# Allegro board RK3588S_Tablet_Demo_LP4XD200P232SD10H2_V11_20220218.brd (continued)
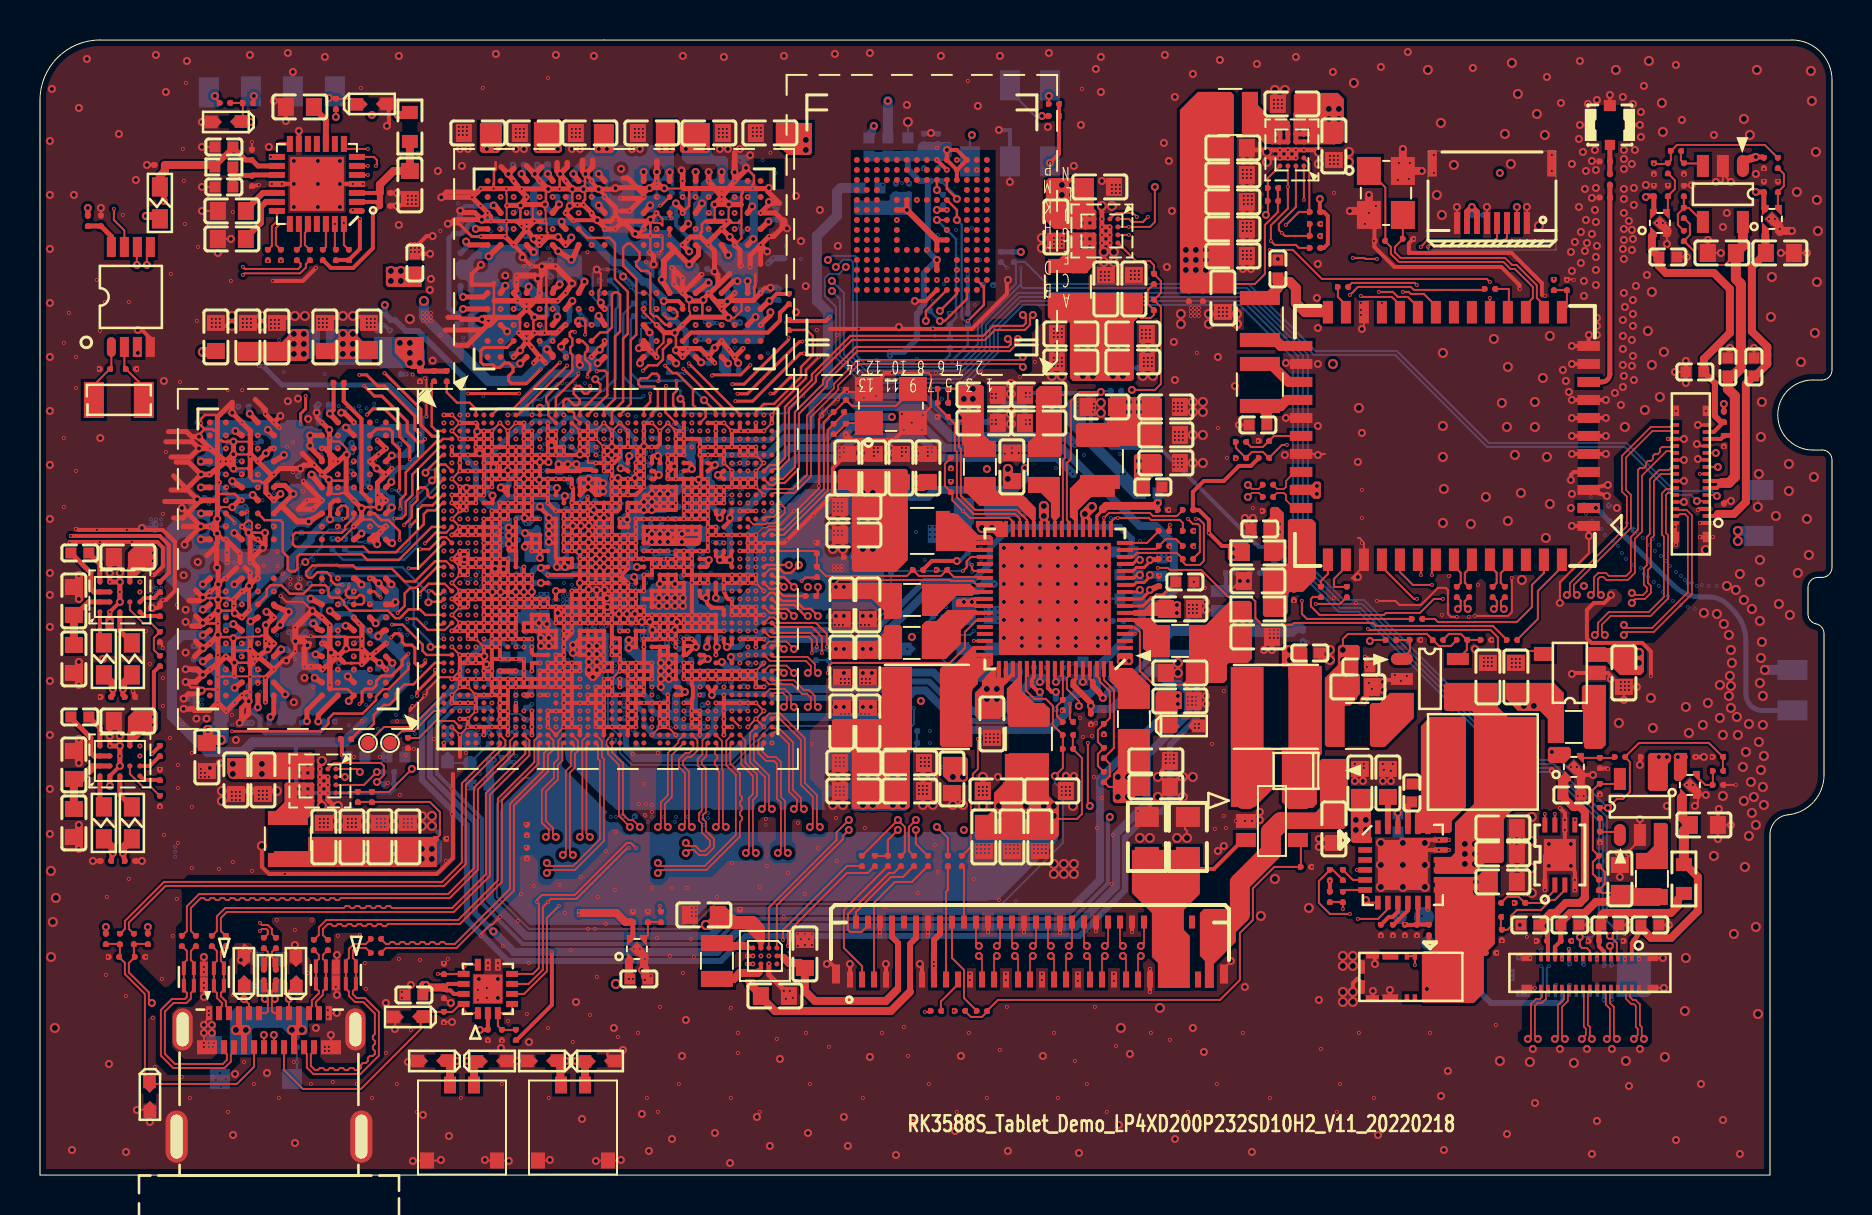
[diagram p0: board, top side]
## Routing (per net, layer and track width the routed paths; a pad name or vN(x,y) marks a point on that pad's centre or on a via; arc(x,y) is an arc through that point) (continued)
VDDA_0V85_S0: length 73.3
  TOP w0.15: U2200.10 54.89,29.15 v5(54.99,29.25)
  TOP w0.2: U1000.H36 v5(33.89,35) U1000.J36
  S03 w0.2: v1(26.99,24) 27.02,24 27.39,24.38 v1(27.39,24.4) 27.39,24.5 27.09,24.8 v1(26.99,24.8)
  S03 w0.3: v1(27.39,24.4) 27.64,24.15 v2(28.09,24.15)
  S08 w0.2: v2(28.09,24.15) 28.24,24.3 v3(28.64,24.3) 28.64,24.15 ; v2(28.09,24.15) 28.19,24.05 v3(28.64,24.05) 28.64,24.15 ; v2(28.09,24.15) 28.64,24.15
  BOTTOM w0.1: 28.67,24.05 28.67,23.98 28.69,23.95 ; C2263.1 54.99,29.05 54.99,28.8 C2263.1
  BOTTOM w0.2: v3(28.64,24.3) v3(28.64,24.05) ; 34.34,34.85 34.34,34.83 34.44,34.83 34.44,35 ; 34.99,35 34.99,34.83
  BOTTOM w0.3: 29.34,21.25 29.29,21.6 29.29,22.05 28.69,22.65 28.69,23.95 ; v5(54.99,29.25) 54.99,29.28
  BOTTOM w0.35: v5(33.89,35) 35.49,35
  BOTTOM w0.4: 55.09,28.55 55.09,27.6 52.84,25.35 52.84,24.4 52.49,24.05 51.74,24.05 51.39,23.7 51.39,23.18 50.47,22.25 46.24,22.25 44.28,24.22 43.71,24.22 42.39,22.9 36.49,22.9 34.44,20.85 29.74,20.85 29.34,21.25 ; 55.09,28.55 55.09,28.95 54.99,29.05 v5(54.99,29.25) ; 55.09,28.55 56.02,28.55 56.69,29.23 56.69,31.55 55.79,32.45 54.99,32.45 51.09,36.35 45.24,36.35 44.19,37.4 40.61,37.4 39.56,36.35 37.5,36.35 36.15,35 35.49,35
VDDA_1V2_S0: length 20.8
  TOP w0.15: U2200.57 49.69,24.88 49.64,24.83 49.64,24.82 49.59,24.77
  TOP w0.2: v5(49.99,24.15) 49.92,24.15 49.59,24.48 49.59,24.77 ; U1000.AR35 33.59,24.1 ; 33.59,24.1 v5(33.59,24) ; 33.59,24.1 U1000.AR34
  BOTTOM w0.3: v5(33.59,24) 33.74,24.15 C1607.1 C1608.1 34.65,24.05 36.44,24.05 36.64,23.85 42.68,23.85 43.49,24.67 44.46,24.67 46.43,22.7 48.29,22.7 49.39,23.8 C2250.1 v5(49.99,24.15)
VDDA_DDR_PLL_S0: length 93.7
  TOP w0.15: U2200.12 54.69,29.85 54.84,30 v5(54.99,30)
  TOP w0.2: U1000.AB14 v5(25.04,29.6) ; U1000.M16 26.19,33.9 v5(26.24,33.95)
  S03 w0.3: v5(26.24,33.95) 26.1,33.8 26.1,33.41 26.09,33.41 26.09,31.2 26.69,30.6 26.69,30.15 26.24,29.7 26.24,28.95 26.04,28.75 25.59,28.75 25.04,29.3 v5(25.04,29.6)
  S06 w0.4: v2(40.89,39) 41.39,38.5 43.54,38.5 45.34,36.7 49.6,36.7 50,37.1 52.44,37.1 53.34,36.2 53.34,34 54.19,33.15 54.19,30.25 54.44,30 v5(54.99,30)
  S08 w0.4: v5(17.24,43.5) 16.54,44.2 16.54,50.1 19.94,53.5 37.59,53.5 38.99,52.1 38.99,50 40.79,48.2 40.79,42.5 39.94,41.65 39.94,39.38 40.32,39 v2(40.89,39)
  BOTTOM w0.25: C1210.1 v5(25.04,29.6)
  BOTTOM w0.3: C1215.1 v5(26.24,33.95) 26.19,33.9 23.24,33.9 22.79,33.45 22.44,33.45 21.79,34.1 21.79,35.35 21.14,36 21.14,39.95 18.89,42.2 18.29,42.2 17.74,42.75 17.54,42.75 17.24,43.05 v5(17.24,43.5)
VDDQ_DDR: length 53.1
  TOP w0.254: U3800.B3 v5(15.39,24.93) ; v5(17.62,25.6) U3800.D1 17.29,25.93 ; U3801.W1 v5(34.41,40.58) ; U3801.W5 34.67,44.69 v5(34.87,44.69) ; v5(15.3,37.37) U3800.AA3 ; U3801.AA3 v5(35.78,42.9) ; U3801.D1 v5(24.01,40.58) ; U3800.AA5 v5(13.5,36.98) v5(13.5,36.47) 13.5,36.38 14.09,35.79 U3800.W5 ; 17.29,35.68 v5(17.59,35.97) ; U3801.AA5 v5(35.38,44.69) ; U3801.B3 v5(23.36,42.18)
  TOP w0.279: v5(22.68,48.48) 22.76,48.47 U3801.B10 ; U3800.F3 15.4,27.47 v5(15.28,27.46) ; v5(12.26,24.03) U3800.B8 ; U3801.AA8 v5(35.66,46.8) ; v5(13.78,26.03) 14.09,25.93 U3800.D5 ; v5(34.41,46) 34.37,46.01 U3801.W8 ; U3800.D8 11.69,25.93 v5(12.06,26.28) ; 10.09,24.63 U3800.B10 v5(9.73,24.36) ; U3801.B8 v5(22.43,45.94) ; U3801.D12 v5(24.08,50.05) ; U3801.D5 v5(24.43,44.41) ; U3801.B5 v5(23.26,44.46) ; v5(9.67,27.55) U3800.F10 10.09,27.23 ; U3800.AA8 v5(11.4,37.25) ; v5(25.86,42.92) 25.88,42.79 U3801.F3 ; v5(13.73,24.86) 14.09,24.63 U3800.B5 ; 8.49,25.93 U3800.D12 v5(8.14,25.67) ; U3801.D8 v5(24.69,46.14) ; U3801.AA10 v5(35.61,48.43) ; v5(34.08,50.15) U3801.W12 ; U3800.W8 12.19,35.96 v5(12.2,36.01) ; U3800.W12 v5(8.04,35.68) ; U3801.F10 v5(25.96,48.53) ; U3801.U10 v5(33.1,48.58) ; U3800.AA10 v5(9.77,37.2) ; U3800.U10 v5(9.62,34.69)
  TOP w0.5: v4(9.04,21.75) 8.34,21.75 C3807.1 8.39,21.6 v4(8.39,22.25)
  S03 w0.203: v1(15.69,34.38) 15.88,34.19 v2(15.97,34.19) ; v2(32.6,42.23) 32.6,42.32 v1(32.78,42.5)
  POWER05 w0.102: v5(8.14,25.67) 9.25,26.78 9.25,27.13 v5(9.67,27.55)
  S08 w0.254: v2(15.97,34.19) 16.04,34.19 v3(16.24,34.39) 16.38,34.53 v3(16.38,34.64) ; v2(32.6,42.23) 32.6,42.15 v3(32.8,41.96) 32.93,41.82 v3(33.04,41.82)
  BOTTOM w0.2: 12,22.62 12.57,22.62
  BOTTOM w0.254: v5(12.26,24.03) 12.26,24.12 12.31,24.17 12.31,24.9 11.77,25.44 11.77,25.88 12.06,26.16 v5(12.06,26.28) ; 23.35,42.98 23.51,42.82 23.92,42.82 23.92,42.33 23.06,41.47 23.06,40.76 23.31,40.51 23.94,40.51 v5(24.01,40.58) ; v5(35.61,48.43) 35.58,48.46 35.58,48.78 ; v5(35.66,46.8) 35.63,46.83 35.63,47.16 ; 11.04,37.23 11.37,37.23 v5(11.4,37.25) ; C3819.1 17.62,25.52 v5(17.62,25.6) ; v5(24.08,50.05) 24.17,50.15 C3865.1 ; C3820.1 9.6,27.48 v5(9.67,27.55) ; v5(35.38,44.69) 35.38,45.21 35.01,45.58 34.96,45.63 34.69,45.63 34.41,45.92 v5(34.41,46) ; v5(23.26,44.46) 23.36,44.46 23.54,44.64 24.21,44.64 v5(24.43,44.41) 24.84,44.01 25.22,44.01 25.85,43.38 C3861.1 25.88,43.27 25.88,42.93 v5(25.86,42.92) ; v5(8.14,25.67) 8.02,25.8 7.71,25.8 C3814.1 ; v5(25.96,48.53) 25.88,48.6 C3859.1 ; v5(13.78,26.03) 14.19,26.43 14.19,26.82 14.82,27.45 C3823.1 14.93,27.47 15.27,27.47 v5(15.28,27.46) ; 10.13,34.69 v5(9.62,34.69) ; 9.41,37.17 9.74,37.17 v5(9.77,37.2) ; v5(24.69,46.14) 24.56,46.14 24.28,46.42 23.84,46.42 23.3,45.89 22.57,45.89 22.53,45.94 v5(22.43,45.94) 22.43,45.94 21.69,45.94 21.31,45.56 21.03,45.56 21.03,44.99 ; 33.1,48.07 v5(33.1,48.58)
  BOTTOM w0.305: 9.72,24.35 v5(9.73,24.36) ; v5(22.68,48.48) 22.65,48.45 C3864.1
  BOTTOM w0.381: v5(35.66,46.8) 35.66,46.23 35.01,45.58
  vias: v4(15.14,42.05) v4(15.14,41.55) v4(15.14,41.05) v4(15.64,42.05) v4(15.64,41.55) v4(15.64,41.05) v5(22.34,51.3) v5(22.74,51.3) v5(24.89,51.3) v5(25.89,51.3) v5(32.29,51.3) v5(33.29,51.3)
VDDQ_DDR_CK_S0: length 12.3
  TOP w0.2: U1000.H24 29.37,35.25 29.03,35.33 v5(29.03,35.33) ; U1000.K9 v5(23.03,34.38) U1000.L9 U1000.K9
  BOTTOM w0.2: v5(23.03,34.38) 23.16,34.5 C1216.1
  BOTTOM w0.25: 29.03,35.6 29.09,35.6 29.24,35.45 ; 29.03,35.6 29.03,36.77 28.49,37.3 R3821.1 27.09,37.85 26.34,37.85 25.79,37.3 25.14,37.3 24.14,36.3 24.14,35.39 23.44,34.69 C1216.1 ; 29.03,35.6 v5(29.03,35.33) 29.15,35.45 29.24,35.45 ; 29.24,35.45 C1213.1 29.39,35.45
VDDQ_DDR_CKE_S3: length 14.1
  TOP w0.203: v5(22.63,33.97) 22.63,33.64 U1000.M7 U1000.M6 ; U1000.G24 29.39,35.88 v5(29.46,35.95)
  BOTTOM w0.1: R3820.1 24.3,37.3
  BOTTOM w0.254: 29.72,36.1 29.61,36.1 v5(29.46,35.95) 29.59,35.95 C1211.1 ; v5(22.63,33.97) 22.63,33.94 22.24,34.33 22.24,34.75 C1212.1 22.24,34.85 22.24,35.72 23.83,37.3 24.3,37.3 24.7,37.7 25.58,37.7 26.45,38.57 27.99,38.57 29.72,36.84 29.72,36.13 ; 29.72,36.13 C1211.1 ; 29.72,36.13 C1211.1
VDDQ_DDR_S0: length 62.2
  TOP w0.1: v4(53.89,18.9) 53.89,19.4 53.44,19.4 C2229.1 53.49,19.95 53.49,20.55 R2236.1 53.69,21.35 53.69,24.25 53.19,24.75 U2200.67
  TOP w0.102: 25.79,35.22 25.79,35.41 v5(25.93,35.54)
  TOP w0.2: R1200.2 15.09,21.76 v1(15.09,21) ; v1(39.49,42.9) 39.29,42.7 37.49,42.7 R1203.2
  TOP w0.203: U1000.H15 25.79,35.22 25.93,35.35 v5(25.93,35.54) 25.99,35.54 ; U1000.H15 U1000.H16 ; U1000.H15 U1000.H14 ; U1000.R10 23.57,32.4 23.56,32.39 23.49,32.39 23.46,32.37 v5(23.44,32.37) v5(23.44,31.96) ; U1000.R10 U1000.T10 ; U1000.R10 v1(23.79,32.8) ; v5(23.44,31.55) 23.44,31.55 23.42,31.27 23.47,31.23 23.75,31.23 23.77,31.2 U1000.V10 ; v5(23.44,31.55) 23.45,31.55 23.46,31.51 ; v5(23.44,31.55) 23.45,31.55 23.46,31.31 23.46,31.51 ; 27.58,35.26 27.56,35.29 27.08,35.29 U1000.H18 ; 27.58,35.26 27.64,35.2 U1000.H20 ; 27.58,35.26 27.06,35.26 U1000.H18 ; U1000.H16 U1000.H18 ; U1000.H16 26.39,35.4 v5(26.39,35.54) ; U1000.H16 26.19,35.34 25.99,35.54 ; U1000.H18 26.86,35.33 26.86,35.5 v5(26.82,35.54) v5(26.39,35.54) ; v5(23.44,31.96) 23.46,31.94 23.46,31.51 ; v5(23.44,31.96) 23.54,31.96 23.58,32 U1000.T10 ; 23.46,31.51 23.79,31.51 ; v5(26.39,35.54) 25.99,35.54 ; 23.79,31.51 U1000.T10 ; 23.79,31.51 U1000.V10 ; U1000.V10 U1000.W10 U1000.Y10
  TOP w0.254: v4(18.99,40.6) 19,40.59 C1251.1 R1201.2 R1202.2
  GND02 w0.127: v1(23.79,32.8) 23.44,32.45 v5(23.44,32.37)
  GND02 w0.305: v5(23.44,31.96) v5(23.44,32.37) ; v5(26.82,35.54) v5(26.39,35.54)
  GND02 w0.4: v5(26.39,35.54) v5(25.93,35.54)
  S03 w0.2: v2(14.79,20.9) 14.99,20.9 v1(15.09,21) ; v1(39.49,42.9) v2(39.49,43.2)
  S03 w0.254: v2(23.42,32.77) 23.44,32.8 v1(23.79,32.8)
  S03 w0.3: v5(23.44,31.55) v5(23.44,31.96)
  S03 w0.305: v5(23.44,31.96) v5(23.44,32.37) 23.44,32.75 v2(23.42,32.77) ; v5(25.93,35.54) v5(26.39,35.54) v5(26.82,35.54)
  POWER05 w0.1: v5(23.44,31.55) 23.44,30.95 23.54,30.85 23.54,30.16 23.44,30.06 23.44,28.55 22.79,27.9
  POWER05 w0.15: v5(26.39,35.54) 26.39,36.04 26.54,36.19 26.54,38.07 31.2,38.07 31.57,38.44 31.57,38.89 32.26,39.58 36.01,39.58 36.39,39.96 36.39,41.5 36.94,42.05 36.94,43.15 37.34,43.55 37.94,43.55 38.29,43.2 v2(39.49,43.2)
  S08 w0.254: v3(23.14,32.47) 23.42,32.75 v2(23.42,32.77)
  S08 w0.305: v5(26.82,35.54) v5(26.39,35.54) v5(25.93,35.54) ; v2(23.42,32.77) 23.44,32.75 v5(23.44,32.37) v5(23.44,31.96) 23.44,31.29 v5(23.44,31.55) 23.42,31.58 23.27,31.43 23.14,31.56 v3(23.14,32.47)
  GND09 w0.305: v5(26.82,35.54) v5(26.39,35.54) v5(25.93,35.54) ; v5(23.44,31.96) v5(23.44,32.37) 23.34,32.47 v3(23.14,32.47)
  GND09 w0.4: v5(26.82,35.54) 26.82,35.53 25.93,35.53 v5(25.93,35.54)
  BOTTOM w0.3: v5(25.93,35.54) 25.92,35.54 25.92,35.2 ; R3821.2 26.09,36.65 26.09,36.05 26.39,35.76 v5(26.39,35.54)
  vias: v3(23.14,32.2) v3(23.14,32) v4(17.99,41.6) v4(18.49,41.6) v4(18.49,41.1) v4(18.49,40.6) v4(53.89,19.9) v4(54.39,19.9) v4(54.39,18.9)
VEE5V8_LCD: length 11.4
  TOP w0.2: 37.19,10.85 37.09,10.95 J7012.A2
  TOP w0.3: 42.84,9.25 42.9,9.31 J5500.9 42.9,11.6 42.6,11.9 42.6,12.65
  TOP w0.4: 42.84,9.25 42.29,8.7 38.74,8.7 38.24,9.2 C9612.1 37.99,10.6 37.44,10.6 37.19,10.85
32KOUT_WIFI: length 3.1
  TOP w0.1: R2114.2 60.54,36.4 61.14,36.4 C6323.1 61.69,36.95 U6300.31
ALPS_INT_L: length 64.7
  TOP w0.1: J7002.2 73.85,48.4 v5(73.84,48.4)
  S03 w0.075: 37.69,33.2 37.24,32.75 36.64,32.75 v1(36.19,33.2)
  S03 w0.1: 37.69,33.2 38.24,33.75 40.18,33.75 41.44,35.02 41.44,37.78 42.04,38.38 42.04,39.55 41.81,39.79 41.64,39.95 41.64,50.95 39.84,52.75 v2(39.84,53.35)
  S06 w0.1: v5(73.84,48.4) 73.09,48.4 71.74,49.75 57.54,49.75 56.84,49.05 54.54,49.05 52.79,50.8 51.39,50.8 50.74,50.15 50.24,50.15 49.89,50.5 49.89,51.05 47.09,53.85 43.14,53.85 42.54,53.25 39.94,53.25 v2(39.84,53.35)
BIG/NPU_EN: length 109.3
  TOP w0.1: v5(55.74,49.4) 55.74,47.65 55.49,47.4 v1(54.44,47.4) U2300.A2 ; U2302.A2 v5(15.24,19.9) ; U2301.A2 62.79,48.4 61.94,47.55 61.94,47.25 v1(62.09,47.1) 62.24,46.95 R2302.2 R2303.1
  S03 w0.1: v1(62.09,47.1) 61.99,47.2 54.64,47.2 v1(54.44,47.4)
  S06 w0.1: v5(55.74,49.4) 54.63,49.4 52.68,51.35 50.89,51.35 47.54,54.7 12.2,54.7 11.12,53.62 11.12,52.73 8.84,50.45 7.84,50.45 6.74,49.35 6.74,38.8 6.24,38.3 6.24,22.85 7.89,21.2 7.89,20.46 8.7,19.65 14.99,19.65 v5(15.24,19.9)
BL_PWM_OUT: length 5
  TOP w0.1: 45.6,12.65 45.6,10.85 46.2,10.25 46.2,8.85 R5617.1
BQ_OTG_EN_H: length 48.9
  TOP w0.1: v1(65.89,12.8) 66.89,12.8 67.39,13.3 U2501.8
  S03 w0.1: v1(26.99,23.2) 28.94,21.25 28.94,15.92 29.24,15.62 31.06,13.8 44.95,13.8 58.74,13.8 60.39,12.15 60.56,12.15 63.94,12.15 64.59,12.8 v1(65.89,12.8)
BT_REG_ON: length 2.3
  TOP w0.1: U6300.38 65.29,30.4 64.69,29.8 64.69,29.4 R6336.2
BT_REG_ON_H: length 33.4
  TOP w0.1: v1(63.79,28.55) 64.99,28.55 R6336.1
  S03 w0.075: 37.44,24.15 37.14,24.15 36.2,25.1 36.2,25.82 36.19,25.82 36.19,25.9 36.03,26.06 36.03,26.1 35.89,26.24 35.86,26.24 35.84,26.25 35.64,26.25 v1(35.39,26)
  S03 w0.1: 37.44,24.15 41.81,24.15 42.11,24.45 43.49,24.45 44.14,25.1 49.95,25.1 50.94,26.1 54.29,26.1 55.55,27.35 59.11,27.35 59.81,28.05 63.29,28.05 v1(63.79,28.55)
BT_WAKE_HOST: length 4.9
  TOP w0.1: R9700.2 74.89,27.8 74.89,29.2 76.09,30.4 U6300.50
BT_WAKE_HOST_H: length 41.9
  TOP w0.1: R9700.1 72.64,27.45 66.79,27.45 66.64,27.6 62.69,27.6 62.59,27.5 61.11,27.5 60.77,27.85 60.77,28.68 60.54,28.9 59.41,28.9 58.06,30.25 56.49,30.25 56.39,30.35 v1(55.89,30.35)
  S03 w0.075: 41.99,27.55 41.91,27.46 36.42,27.46 36.05,27.84 35.23,27.84 v1(34.99,27.6)
  S03 w0.1: v1(55.89,30.35) 54.44,30.35 53.99,29.9 47.34,29.9 47.04,29.6 44.04,29.6 41.99,27.55
CC_INT0_L: length 53.5
  TOP w0.1: v1(25.94,13.45) 25.34,12.85 25.34,10.19 24.21,9.05 U2600.5
  S03 w0.075: 37.44,24.55 37.24,24.55 36.5,25.3 36.5,25.94 36.5,25.94 36.5,26.03 36.49,26.03 36.49,26.11 36.12,26.49 36.1,26.49 36.05,26.54 36.05,26.54 35.95,26.64 35.49,26.64 35.49,26.64 35.3,26.64 35.16,26.5 35.16,26.47 35.09,26.4 35.09,26.1 v1(34.99,26)
  S03 w0.1: 37.44,24.55 41.56,24.55 42.01,25 43.04,25 43.39,25.35 47.19,25.35 v2(48.19,26.35) ; v1(25.94,13.45) v2(26.24,13.45)
  S06 w0.1: v2(26.24,13.45) 38.54,13.45 38.69,13.6 38.7,13.6 41.45,16.35 41.55,16.45 45.06,16.45 45.69,17.09 45.69,17.25 45.84,17.4 45.84,17.4 46.1,17.65 46.91,17.65 47.54,18.29 47.54,20.05 48.24,20.75 48.24,25.3 48.19,25.35 v2(48.19,26.35)
CHG_INT_L: length 38.3
  TOP w0.1: v1(52.39,21.6) 52.39,18.55 v5(52.49,18.45) ; v5(66.29,13.75) 66.43,13.62 U2501.7
  S03 w0.1: v1(35.39,22.8) 35.89,22.3 35.89,21.45 36.54,20.8 38.99,20.8 39.54,21.35 48.39,21.35 48.64,21.6 v1(52.39,21.6)
  S08 w0.1: v5(66.29,13.75) 64.58,13.75 62.83,15.5 60.84,15.5 58.44,17.9 53.99,17.9 53.44,18.45 v5(52.49,18.45)
CHG_REF: length 8.4
  TOP w0.2: v5(69.39,11.55) 69.44,11.59 R2504.1 ; U2501.22 v5(67.89,18.1)
  S03 w0.2: v5(67.89,18.1) 68.69,17.3 68.69,12.85 69.39,12.15 v5(69.39,11.55)
  BOTTOM w0.1: v5(69.39,11.55) TP2501.1
CHRG_OK_H: length 39.9
  TOP w0.1: U2501.4 v1(65.84,15.25)
  S03 w0.1: v2(63.54,17.9) 63.78,17.66 63.79,17.66 65.84,15.61 v1(65.84,15.25) ; v2(57.84,24.9) 57.34,24.4 55.59,24.4 54.29,23.1 46.34,23.1 45.19,24.25 43.99,24.25 43.69,23.95 43.69,23.75 42.99,23.05 38.91,23.05 38.26,22.4 37.89,22.4 37.49,22.8 37.29,22.8 36.84,23.25 36.84,23.7 35.39,25.15 v1(35.39,25.6)
  S06 w0.1: v2(57.84,24.9) 57.84,23.51 60.45,20.9 60.46,20.9 63.46,17.9 v2(63.54,17.9)
DDR_CH0_A0_A: length 9.2
  TOP w0.122: v1(18.43,30.34) 18.92,30.34 20.19,31.6 U1000.U1
  S03 w0.064: v2(16.2,28.71) 16.34,28.58 v1(16.49,28.58) ; v1(18.43,30.34) 18.58,30.34 v2(18.7,30.21)
  S08 w0.064: v2(18.7,30.21) 17.93,30.21 17.87,30.15 17.87,29.99 17.81,29.93 17.68,29.93 17.62,29.99 17.62,30.15 17.55,30.21 17.43,30.21 17.36,30.15 17.36,29.99 17.3,29.93 17.17,29.93 17.11,29.99 17.11,30.15 17.05,30.21 16.92,30.21 16.85,30.15 16.85,29.99 16.79,29.93 16.66,29.93 16.6,29.99 16.6,30.15 16.54,30.21 16.41,30.21 16.35,30.15 16.35,29.99 16.28,29.93 16.16,29.93 16.09,29.99 16.09,30.15 16.03,30.21 15.8,30.21 15.74,30.15 15.74,29.38 16.2,28.91 v2(16.2,28.71)
DDR_CH0_A0_B: length 11
  TOP w0.102: U1000.U2 20.31,31.89
  TOP w0.122: v1(19,31.29) 19.47,31.29 20.07,31.89 20.31,31.89
  TOP w0.127: v1(17.98,31.75) 17.98,32.19 17.42,32.74 17.07,32.74 16.74,33.08 16.49,33.08
  S03 w0.064: v2(17.85,32.03) 17.98,31.9 v1(17.98,31.75) ; v1(19,31.29) 18.94,31.36 v2(18.69,31.36)
  S08 w0.064: v2(18.69,31.36) 18.84,31.2 20.77,31.2 20.86,31.28 20.86,31.64 20.79,31.71 19.28,31.71 18.68,32.31 18.33,32.31 18.05,32.03 v2(17.85,32.03)
DDR_CH0_A1_A: length 9
  TOP w0.102: 17.03,28.86 v1(17.03,28.86) ; 20.23,29.56 U1000.AC2
  TOP w0.122: 16.49,29.18 16.72,29.18 17.03,28.86 ; 20.23,29.56 19.43,29.56 18.99,29.12 v1(18.99,29.04)
  S03 w0.064: v2(17.27,28.68) 17.27,28.8 17.21,28.86 17.04,28.86 v1(17.03,28.86) ; v1(18.99,29.04) 18.79,29.04 18.72,28.97 v2(18.7,28.97)
  S08 w0.064: v2(17.27,28.68) 17.27,28.73 17.98,29.44 17.98,29.74 18.04,29.8 18.17,29.8 18.23,29.74 18.23,29.49 18.3,29.42 18.42,29.42 18.49,29.49 18.49,29.74 18.55,29.8 18.68,29.8 18.74,29.74 18.74,29.49 18.8,29.42 18.93,29.42 19,29.49 19,29.74 19.06,29.8 19.44,29.8 19.5,29.74 19.5,29.1 19.44,29.04 18.79,29.04 18.72,28.97 v2(18.7,28.97)
DDR_CH0_A1_B: length 12.2
  TOP w0.102: U1000.R2 20.31,32.12
  TOP w0.122: 20.31,32.12 19.78,32.12 v1(19.25,31.58)
  S03 w0.064: v1(19.25,31.58) 19,31.58 18.91,31.67 18.53,31.67 18.44,31.58 18.26,31.58 18.19,31.64 18.19,31.84 18.19,31.84 18.19,32.17 17.99,32.37 17.31,32.37 17.26,32.42 16.87,32.42 16.71,32.27 16.71,32.18 16.82,32.07 16.82,31.94 16.75,31.87 16.66,31.87 16.55,31.98 16.46,31.98 16.37,31.89 16.37,31.8 16.48,31.69 16.48,31.6 16.38,31.5 16.26,31.5 16.2,31.56 16.2,31.65 16.13,31.71 16,31.71 15.94,31.65 15.94,31.58 16.06,31.46 16.06,31.37 15.99,31.3 14.91,31.3 14.83,31.38 14.83,31.73 14.89,31.79 14.98,31.79 15.04,31.73 15.04,31.64 15.1,31.58 15.21,31.58 15.27,31.64 15.27,31.69 15.34,31.75 15.46,31.75 15.53,31.69 15.53,31.64 15.59,31.58 15.68,31.58 15.74,31.64 15.74,31.96 15.68,32.02 15.55,32.02 15.49,32.09 15.49,32.21 15.55,32.27 15.82,32.27 15.93,32.38 16.5,32.38 v1(16.52,32.4)
DDR_CH0_A2_A: length 11.5
  TOP w0.122: U1000.AF1 19.27,28 19,28.28 18.43,28.28 17.99,27.84 17.77,27.84 17.62,27.99 17.62,28 17.4,28.22 15.5,28.22 15.21,28.51 15.21,28.66 15,28.87 14.55,28.87 14.42,28.99 14.42,29.32 14.26,29.49 13.6,29.49 13.18,29.07 12.49,29.07 12.07,29.49 11.53,29.49 11.34,29.3 11.34,28.97 U3800.H9 10.89,28.53
DDR_CH0_A2_B: length 13.2
  TOP w0.122: U3800.R9 11.23,32.74 12.02,32.74 12.14,32.62 12.14,31.16 12.38,30.91 12.38,30.31 12.5,30.18 12.75,30.18 12.87,30.31 12.87,30.91 12.99,31.03 16.09,31.03 16.37,30.75 17.94,30.75 19.59,32.4 U1000.R1
DDR_CH0_A3_A: length 12.3
  TOP w0.122: U1000.AL2 19.33,26 19.13,26.21 19.13,26.52 18.13,27.52 17.6,27.52 v1(17.6,27.52)
  S03 w0.064: v1(10.09,28.53) 10.38,28.24 10.68,28.24 11.09,27.83 12.23,27.83 12.39,27.68 12.97,27.68 13.4,27.25 14.58,27.25 15.15,27.81 16.5,27.81 16.58,27.9 16.9,27.9 16.9,27.89 16.91,27.89 17.16,27.64 17.47,27.64 v1(17.6,27.52)
DDR_CH0_A3_B: length 13.4
  TOP w0.122: v1(10.36,33.17) 10.27,33.08 U3800.R10 ; U1000.D2 20.14,36.8 20.02,36.68 19.83,36.68 18.28,35.13 18.28,34.04 18.01,33.77 v1(18.01,33.32)
  S03 w0.064: v1(10.36,33.17) 10.42,33.22 10.61,33.22 10.92,33.52 15.44,33.52 15.72,33.24 15.93,33.03 15.95,33.03 15.95,33.03 16.21,33.03 16.25,33.07 17.73,33.07 17.98,33.32 v1(18.01,33.32)
DDR_CH0_A4_A: length 13
  TOP w0.122: v1(17.88,28.1) 18.23,28.46 18.23,29.08 18.52,29.36 18.81,29.36 19.85,30.4 U1000.Y1
  S03 w0.064: v1(17.88,28.1) 17.85,28.1 17.84,28.11 16.49,28.11 16.41,28.03 15.06,28.03 14.72,27.69 14.25,27.69 14.05,27.89 13.16,27.89 12.55,28.5 10.55,28.5 10.2,28.85 9.64,28.85 v1(9.31,28.52)
DDR_CH0_A4_B: length 14.2
  TOP w0.122: U1000.E1 19.99,36.4 18.62,35.02 18.62,33.99 18.28,33.66 18.28,33.03 18.08,32.83 v1(17.72,32.83) ; v1(9.73,32.6) 9.71,32.61 9.71,32.66 U3800.R11
  S03 w0.064: v1(9.73,32.6) 9.86,32.46 10.3,32.46 10.7,32.86 10.98,33.14 11.13,33.29 11.15,33.31 11.9,33.31 11.9,33.31 12.12,33.31 12.12,33.31 12.62,33.31 15.35,33.31 15.63,33.03 15.84,32.81 16.3,32.81 16.33,32.85 17.69,32.85 v1(17.72,32.83)
DDR_CH0_A5_A: length 12.7
  TOP w0.102: U1000.AG2 20.25,27.26
  TOP w0.122: v1(18.36,27.81) 18.83,27.81 19.38,27.26 20.25,27.26
  S03 w0.064: v1(18.36,27.81) 18.23,27.94 18.23,28.16 18.08,28.31 15.03,28.31 14.62,27.9 14.35,27.9 13.75,28.51 12.87,28.51 12.67,28.72 10.7,28.72 10.24,29.18 v1(9.29,29.18)
DDR_CH0_A5_B: length 13.3
  TOP w0.122: U1000.L1 20.15,34 19.63,33.49 19.12,33.49 18.87,33.23 18.87,32.8 v1(18.52,32.44)
  S03 w0.064: v1(18.52,32.44) 18.57,32.5 18.57,33.05 18.24,33.38 18.24,33.41 18.1,33.55 17.91,33.55 17.89,33.53 17.88,33.53 17.88,33.53 17.72,33.69 17.68,33.69 17.66,33.7 17.09,33.7 17.09,33.7 16.83,33.7 16.83,33.7 15.56,33.7 15.53,33.74 10.81,33.74 10.51,33.44 10.24,33.44 9.29,32.49 v1(9.29,32.48)
DDR_CH0_CLKN_A: length 12.5
  S03 w0.064: v1(10.89,29.18) 11.11,29.18 11.17,29.24 11.17,30 11.11,30.06 10.91,30.06 10.74,30.23 10.74,30.74 10.91,30.9 12.69,30.9 12.94,30.66 12.94,30.33 13.03,30.23 17.14,30.23 17.25,30.34 17.44,30.34 17.55,30.23 17.94,30.23 18.1,30.08 18.43,29.75 18.46,29.75 19.18,29.75 19.34,29.9 20.1,29.9 v1(20.19,30)
DDR_CH0_CLKN_B: length 10.7
  S03 w0.064: v1(20.19,31.2) 20.28,31.12 20.28,31.03 20.15,30.9 19.96,30.9 19.85,31.01 19.66,31.01 19.55,30.9 14.19,30.9 12.27,32.82 11.38,32.82 11.21,32.65 11.21,32.49 11.14,32.43 v1(10.94,32.43)
DDR_CH0_CLKP_A: length 12.7
  S03 w0.064: v1(20.59,30) 20.49,30 20.22,29.73 19.41,29.73 19.25,29.57 19.09,29.57 18.36,29.57 18.02,29.91 17.87,30.06 12.96,30.06 12.76,30.26 12.76,30.59 12.62,30.73 10.98,30.73 10.91,30.67 10.91,30.3 10.98,30.23 11.18,30.23 11.34,30.07 11.34,29.24 11.41,29.18 v1(11.69,29.18)
DDR_CH0_CLKP_B: length 10.7
  S03 w0.064: v1(20.57,31.2) 20.45,31.08 20.45,30.96 20.22,30.73 14.11,30.73 12.2,32.65 11.45,32.65 11.38,32.58 11.38,32.49 11.44,32.43 v1(11.64,32.43)
DDR_CH0_DM0_A: length 10.3
  S03 w0.079: v1(20.19,28.4) 19.76,28.4 19.67,28.31 19.23,28.31 17.8,26.89 17.8,26.32 17.4,25.92 16.44,25.92 16.11,25.58 16.08,25.58 15.42,25.58 15.06,25.94 15.06,26.07 14.65,26.48 14.33,26.48 14.1,26.24 14.1,25.93 14.25,25.78 14.77,25.78 15.3,25.25 15.67,25.25 v1(15.69,25.23)
DDR_CH0_DM0_B: length 12.8
  S03 w0.079: v2(17.09,36.03) 17.09,36.15 16.51,36.73 15.89,36.73 15.67,36.51 v1(15.67,36.37) ; v1(21.79,31.21) v2(21.49,31.21)
  S08 w0.079: v2(17.09,36.03) 17.37,36.3 17.65,36.3 19.83,36.3 19.9,36.23 19.9,36.12 19.78,35.99 19.78,35.88 19.89,35.77 20,35.77 20.13,35.89 20.24,35.89 20.35,35.78 20.35,35.67 20.22,35.54 20.22,35.43 20.34,35.32 20.45,35.32 20.57,35.45 20.68,35.45 20.79,35.34 20.79,35.22 20.67,35.1 20.67,34.99 20.78,34.88 20.89,34.88 21.02,35 21.15,35 21.75,34.4 21.75,32.23 21.92,32.06 21.92,31.64 v2(21.49,31.21)
DDR_CH0_DM1_A: length 15.3
  S03 w0.079: v1(21.39,26.4) 21.07,26.08 20.96,26.08 20.75,25.87 20.06,25.87 18.85,24.66 18.85,24.32 16.55,22.02 12.36,22.02 v2(12.27,22.12) ; v2(10.35,24.97) v1(10.07,25.25)
  S08 w0.079: v2(12.27,22.12) 12.27,23.17 11.1,24.34 10.98,24.34 v2(10.35,24.97)
DDR_CH0_DM1_B: length 14.3
  TOP w0.152: v1(16.2,39.46) 16.72,38.95 17.09,38.95 18.36,37.68 18.36,37.17 18.87,36.66 19.12,36.66 19.25,36.79 v1(19.25,36.8)
  S03 w0.079: v1(10.09,36.33) 10.38,36.62 10.38,37.49 12.35,39.46 v1(16.2,39.46) ; v1(19.25,36.8) 19.25,36.76 20.41,35.6 v1(20.59,35.6)
DDR_CH0_DQ0_A: length 6.6
  S03 w0.079: v1(20.59,26.8) 20.53,26.74 v2(20.53,26.37) ; v2(17.27,25.2) 16.7,24.63 v1(16.52,24.63)
  S08 w0.079: v2(20.53,26.37) 20.4,26.25 20.4,25.75 20.27,25.61 19.75,25.61 19.68,25.69 19.68,25.91 19.6,25.99 19.44,25.99 19.36,25.91 19.36,25.69 19.28,25.61 18.76,25.61 18.44,25.29 18.35,25.29 18.27,25.37 18.27,25.59 18.19,25.67 18.03,25.67 17.96,25.6 17.96,25.37 17.87,25.27 17.48,25.27 17.4,25.2 v2(17.27,25.2)
DDR_CH0_DQ0_B: length 11.4
  TOP w0.145: 17.15,37.3 17.47,37.3
  TOP w0.152: 17.15,37.3 16.82,37.3 16.49,36.98 ; v1(17.94,34.23) 17.98,34.28 17.98,36.28 17.62,36.64 17.62,37.15 17.47,37.3
  S03 w0.079: v1(17.94,34.23) 18.02,34.32 v2(18.22,34.32) ; v2(18.81,33.51) 18.93,33.39 18.93,32.66 19.71,31.89 20.73,31.89 v1(21.01,31.6)
  S08 w0.079: v2(18.22,34.32) 18.15,34.39 18.15,34.69 18.37,34.91 18.61,34.91 18.78,34.73 18.78,34.62 18.69,34.53 18.69,34.42 18.81,34.31 18.92,34.31 19.01,34.4 19.12,34.4 19.21,34.3 19.21,33.92 19.14,33.84 18.89,33.84 18.81,33.76 v2(18.81,33.51)
DDR_CH0_DQ1_A: length 12.3
  S03 w0.079: v2(20.6,28.87) 20.66,28.87 21.39,29.6 v1(21.39,29.6) ; v1(16.52,25.25) 16.52,25.17 v2(16.08,24.72)
  S08 w0.079: v2(16.08,24.72) 15.73,25.07 15.73,25.07 15.53,25.27 15.53,25.27 14.89,25.9 14.89,26.53 14.77,26.65 14.77,27.48 15.19,27.9 16.45,27.9 16.79,28.23 18.02,28.23 18.4,28.62 18.91,28.62 19.5,28.03 20.27,28.03 20.6,28.36 v2(20.6,28.87)
DDR_CH0_DQ1_B: length 12.4
  S03 w0.079: v1(21.79,30) 21.88,30 22.17,30.29 22.17,30.72 22.06,30.83 21.8,30.83 21.54,30.57 21.54,30.42 21.33,30.21 21.06,30.21 20.87,30.4 20.87,30.9 21.08,31.11 21.08,31.22 20.62,31.68 19.61,31.68 19.46,31.84 19.21,31.84 19.13,31.92 19.13,32.08 18.99,32.22 18.81,32.22 18.73,32.3 18.73,33.13 18.17,33.7 18,33.7 17.63,34.07 17.63,34.26 17.91,34.54 17.91,34.89 17.42,35.38 17.25,35.38 16.97,35.65 16.54,35.65 16.46,35.73 16.46,35.87 16.69,36.1 16.69,36.21 16.57,36.33 v1(16.49,36.33)
DDR_CH0_DQ2_A: length 7
  TOP w0.152: v1(17.56,26.88) 17.74,27.07 17.96,27.07 18.11,26.91 18.11,26.65 18.26,26.5 18.59,26.5 18.74,26.35 18.74,25.6 18.89,25.44 19.11,25.44 19.26,25.6 v1(19.26,25.74)
  S03 w0.064: v1(20.19,26.8) 20.12,26.88 19.57,26.88 19.22,26.53 19.22,25.78 v1(19.26,25.74)
  S03 w0.079: v1(17.56,26.88) 17.48,26.96 17.37,26.96 16.9,26.49 16.9,26.25 16.82,26.18 16.69,26.18 16.61,26.25 16.61,26.5 v1(16.53,26.58)
DDR_CH0_DQ2_B: length 9.6
  S03 w0.079: v2(17.25,35.04) 17.22,35.01 16.54,35.01 v1(16.52,35.03) ; v1(20.19,33.2) 20.1,33.11 v2(19.91,33.11)
  S08 w0.079: v2(19.91,33.11) 20.03,33.23 20.57,33.23 20.65,33.31 20.65,33.49 20.57,33.56 20.2,33.56 20.12,33.64 20.12,33.8 20.2,33.88 20.57,33.88 20.65,33.96 20.65,34.09 20.57,34.16 20.23,34.16 20.15,34.24 20.15,34.4 20.23,34.48 20.53,34.48 20.61,34.56 20.61,34.67 19.25,36.03 18.17,36.03 18.09,35.95 18.09,35.36 17.87,35.14 17.35,35.14 v2(17.25,35.04)
DDR_CH0_DQ3_A: length 10.6
  S03 w0.079: v2(18.55,28.28) 18.62,28.28 19.32,28.98 19.61,28.98 19.91,29.28 20.57,29.28 20.9,29.6 v1(20.99,29.6) ; v2(17.26,27.31) 16.96,27.31 16.91,27.27 16.53,27.27 v1(16.49,27.23)